# Altium PCB betrusted_evt2b.PcbDoc (part 4 of 6)
Units mm, origin at the board's own origin, x right, y up, seen from the top; angles counter-clockwise.
Board outline 61.95 x 62.6 mm, 6 copper layers (L1, L2, L3, L6, L7, L8), stack 0.691 mm thick; 387 components, 291 nets, 1871 pads, 1866 vias.
Unrouted connection lines stored in the file: 41.
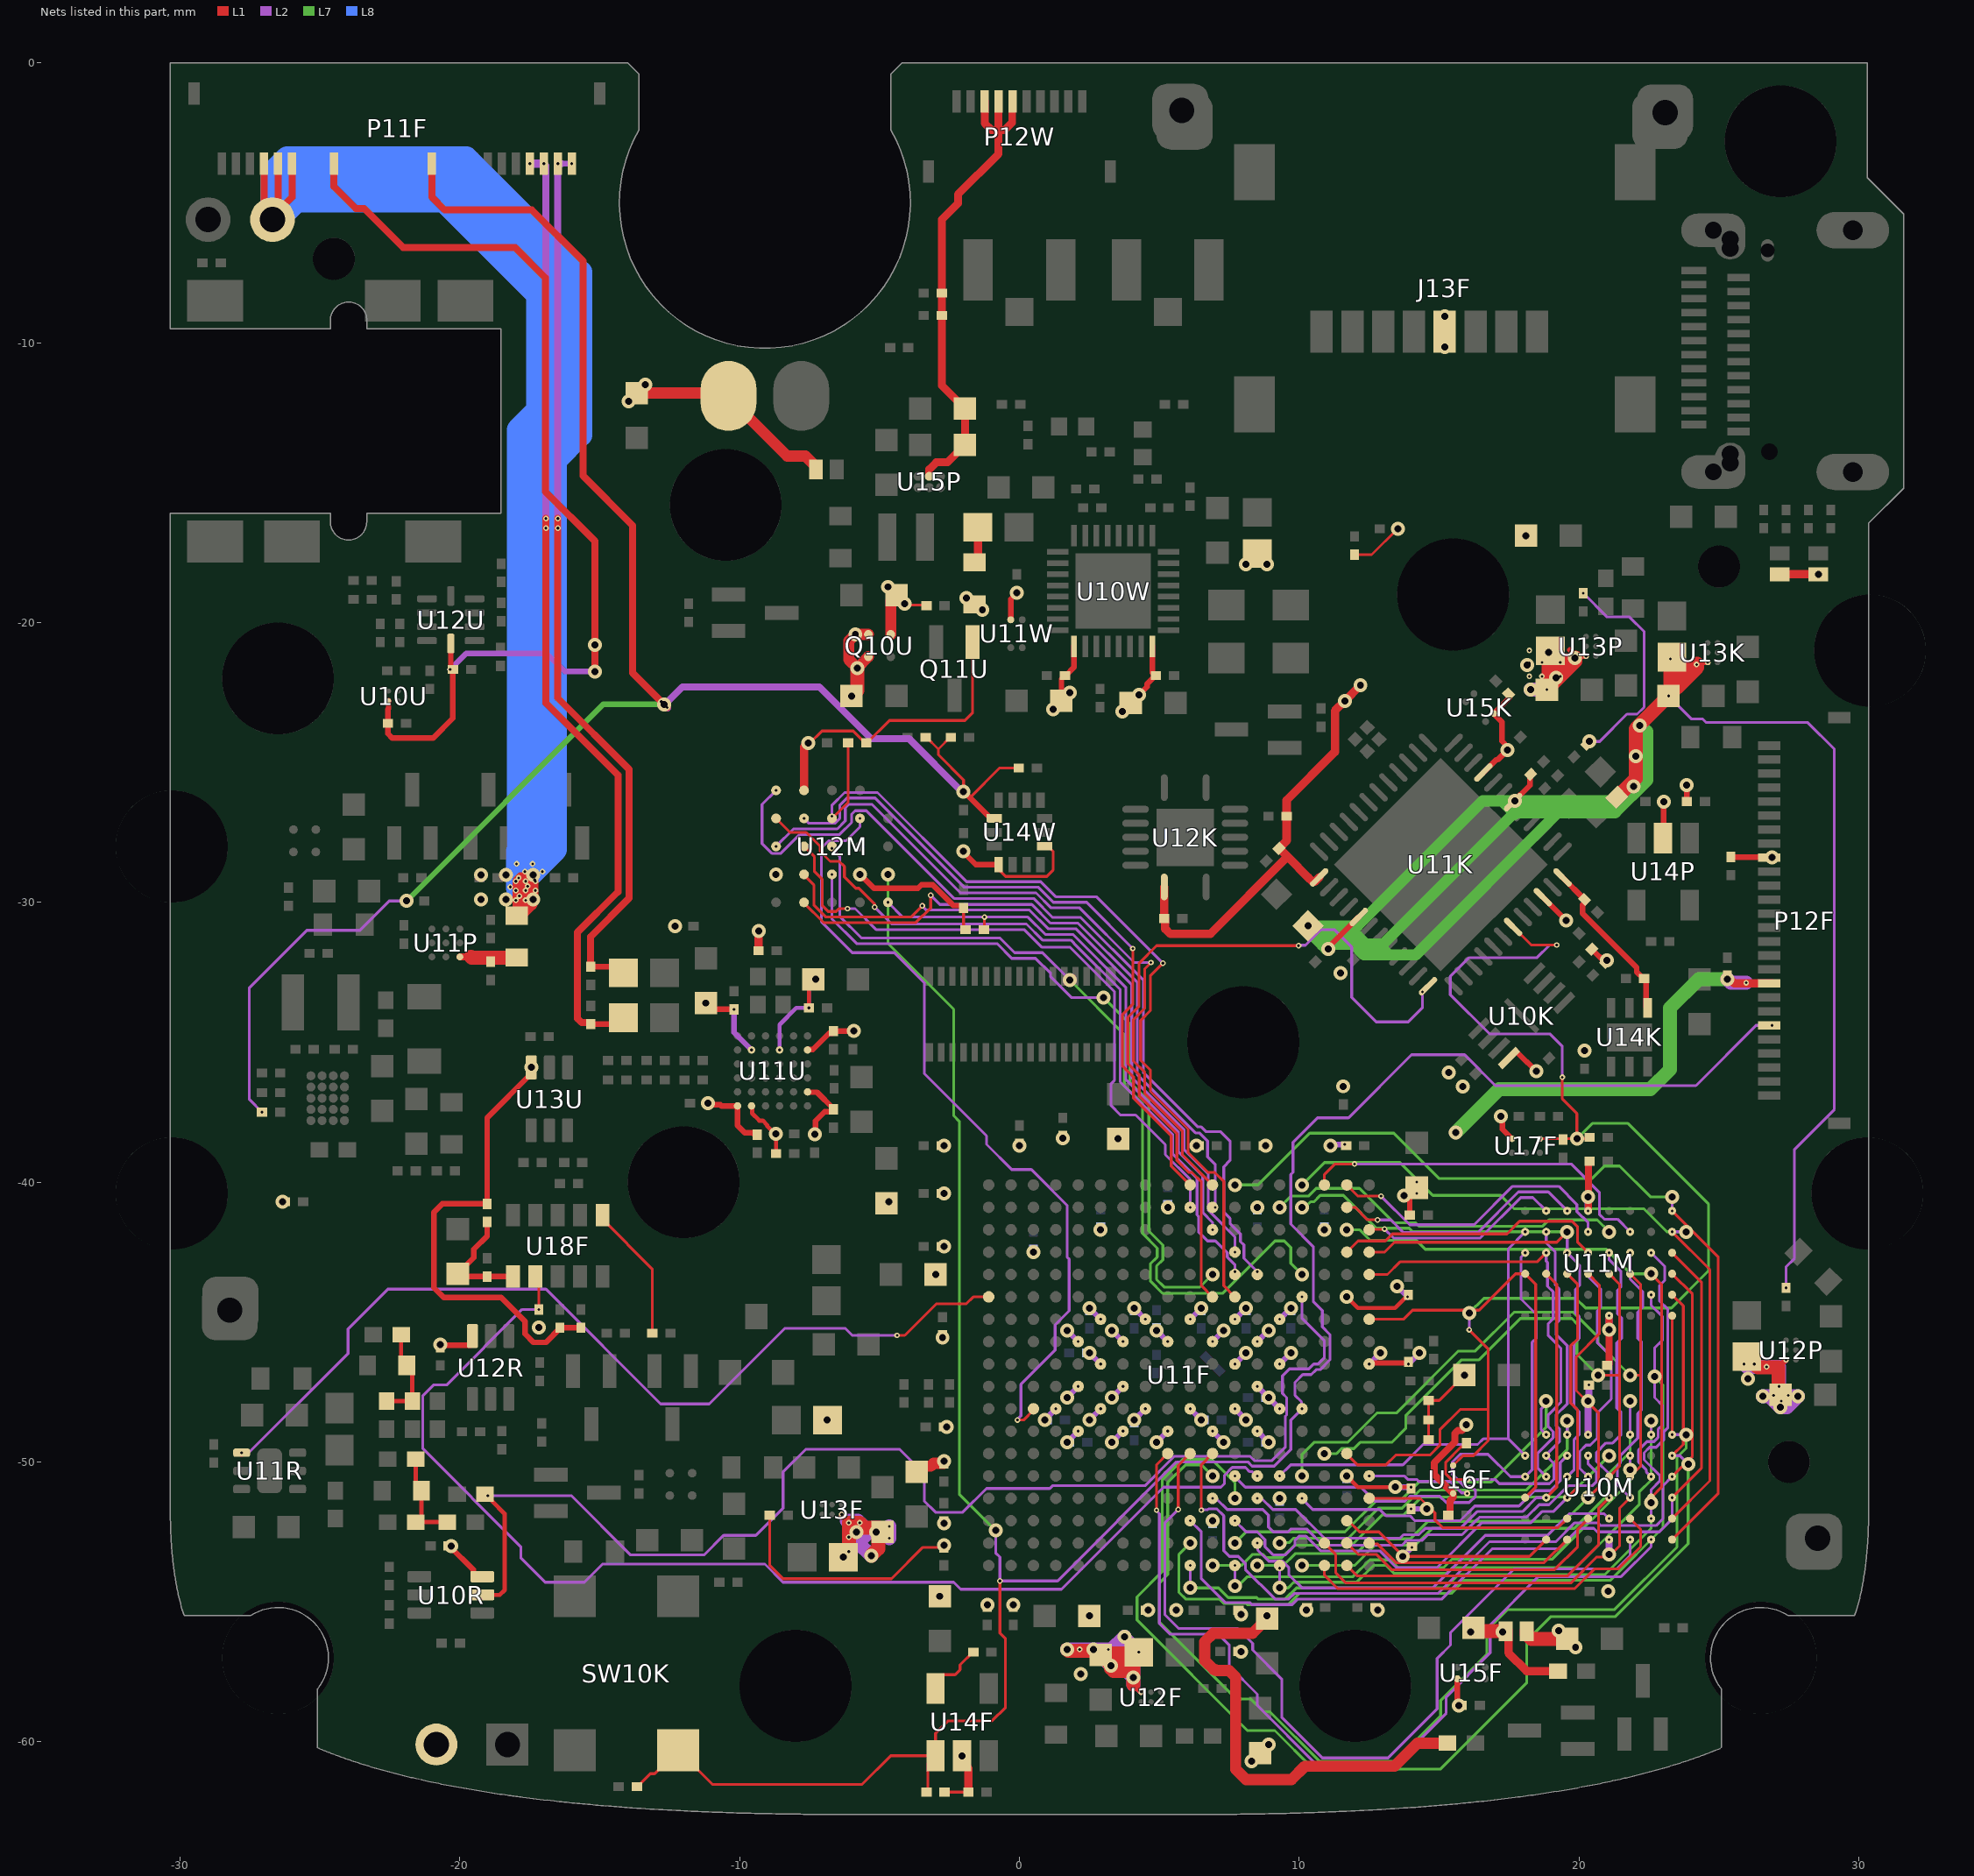
[diagram p8: the nets of this part, all layers, seen from the top]

## Via types
v1: diameter 0.2, hole 0.1, L1 to L2, tented both sides, 1071 vias
v2: diameter 0.5, hole 0.25, L2 to L7, tented both sides, 640 vias
v3: diameter 0.2, hole 0.1, L7 to L8, tented both sides, 120 vias
v4: diameter 0.5, hole 0.25, L1 to L8, 29 vias
v5: diameter 0.5, hole 0.2, L1 to L8, 4 vias
v6: diameter 0.4, hole 0.25, L1 to L8, 2 vias

## Nets (pads, with @x,y where several pads share a name; then routed paths per layer and width w, separated by ;. In a path a pad name is that pad's centre, name@x,y a point inside that pad or via, vN(x,y) a via of type N, cw(c..) or ccw(c..) an arc to the next point about the centre after c; other vN are vias at no path point) (continued)
NOISE_ON1: R12R.2 U10R.5 U11F.R13 | length 45.8
  L1 w0.15: U10R.5@-19.2,-54.75 -18.575,-54.75 -18.4,-54.575 -18.4,-51.85 -18.86,-51.39 -18.86,-51.35 v1(-19.005,-51.205) -19.06,-51.15 R12R.2@-19.1,-51.15
  L2 w0.1: v1(-19.005,-51.205) -16.02,-51.205 -13.9,-53.325 -11.275,-53.325 -10.575,-52.625 -9.425,-52.625 -8.45,-51.65 -8.45,-50.358 -7.642,-49.55 -4.275,-49.55 -3.4,-50.425 -3.4,-51.4 -3,-51.8 -2.025,-51.8 -1.175,-50.95 1.083,-50.95 1.183,-50.85 4.481,-50.85 5.534,-49.797 8.244,-49.797 8.396,-49.95 9.025,-49.95 9.5,-49.475 9.5,-48.375 9.55,-48.325 9.55,-47.7 9.4,-47.55 9.4,-46.925 9.65,-46.675 10.342,-46.675 10.517,-46.5 10.666,-46.5 10.9,-46.266 10.9,-45.675 10.1,-44.875 v1(10.1,-44.1)
NOISEBIAS_ON: U11F.A13 U11R.1 | length 33.1
  L1 w0.1: v1(-4.375,-45.475) -4.1,-45.475 -2.975,-44.35 -1.9,-44.35 -1.65,-44.1 U11F.A13@-1.1,-44.1
  L1 w0.3: U11R.1@-27.812,-49.668 -27.809,-49.67 v1(-27.804,-49.67) U11R.1@-27.8,-49.67 U11R.1@-27.799,-49.67
  L2 w0.1: v1(-27.804,-49.67) -27.545,-49.67 -24,-46.125 -24,-45.25 -22.575,-43.825 -16.925,-43.825 -12.825,-47.925 -11.089,-47.925 -8.389,-45.225 -6.225,-45.225 -5.975,-45.475 v1(-4.375,-45.475)
NPN_NOISE0: C15R.1 C16R.2 D11R.2 R16R.1 | length 3.5
  L1 w0.15: R16R.1@-22.625,-47.825 C15R.1@-21.7,-47.825 -21.7,-46.75 D11R.2@-21.9,-46.55 -22.1,-46.35 C16R.2@-22.1,-45.45
NPN_NOISE1: C10R.1 C11R.2 D10R.2 R11R.1 | length 3.5
  L1 w0.15: R11R.1@-21.575,-49.9 -21.575,-50.825 D10R.2@-21.375,-51.025 -21.375,-51.95 C11R.2@-21.575,-52.15 C10R.1@-20.45,-52.15
P0.95V_T: C16F.1 C19F.1 C20F.1 C21F.1 C22F.2 C23F.1 C24F.1 C25F.1 C26F.1 C27F.2 C28F.1 C60F.1 C61F.1 C71F.1 C72F.1 C73F.1 C74F.1 C75F.1 C76F.1 C89F.1 L12F.2 R16F.1 R20F.2 U11F.E7 U11F.E9 U11F.E11 U11F.F8 U11F.F10 U11F.G7 U11F.G9 U11F.G11 U11F.H8 U11F.J7 U11F.J11 U11F.K8 U11F.L7 U11F.L11 U11F.M8 U11F.M10 U11F.N7 U11F.N9 U11F.N11 U11F.P8 U11F.P10 U12F.A2 | length 55
  L1 w0.1: R16F.1@-8.925,-51.9 -8.925,-53.7 -8.45,-54.175 -4.575,-54.175 -3.45,-53.05 C61F.1@-2.7,-53.05
  L1 w0.2: 4.075,-57.95 v1(4.35,-58.225)
  L1 w0.25: C28F.1@7.825,-55.3 7.865,-55.3 7.885,-55.32 7.885,-55.36 7.925,-55.4 v1(7.925,-55.45)
  L1 w0.4: C19F.1@-3.675,-50.35 -3.475,-50.15 -3.175,-50.15 -3.075,-50.05 C60F.1@-2.7,-50.05 ; C20F.1@8.85,-55.6 8.325,-56.125 6.925,-56.125 6.625,-56.425 6.625,-57.1 6.95,-57.425 7,-57.425 7.025,-57.45 7.491,-57.45 7.725,-57.684 7.725,-60.975 8.1,-61.35 9.725,-61.35 10.2,-60.875 13.4,-60.875 14.225,-60.05 R20F.2@15.3,-60.05
  L1 w0.5: v2(1.7,-56.7) 1.75,-56.75 2.75,-56.75 C16F.1@2.9,-56.9 ; 4.075,-57.95 v1(4.075,-57.71) 4.075,-57.47 ; L12F.2@4.35,-56.885 v1(4.265,-56.8) ; C16F.1@2.9,-56.9 v1(3.275,-57.275) ; C16F.1@2.9,-56.9 2.95,-56.85 L12F.2@4.21,-56.85 ; v1(3.275,-57.275) 3.69,-56.86 L12F.2@4.2,-56.86 ; v1(3.275,-57.275) 3.275,-57.375 3.37,-57.47 3.65,-57.47 ; 3.65,-57.47 4.075,-57.47 ; 3.65,-57.47 3.65,-57.41 L12F.2@4.2,-56.86 ; 4.075,-57.47 4.075,-56.99 L12F.2@4.205,-56.86 ; L12F.2@4.2,-56.86 L12F.2@4.205,-56.86 ; L12F.2@4.2,-56.86 L12F.2@4.21,-56.85 ; L12F.2@4.205,-56.86 L12F.2@4.215,-56.85 ; L12F.2@4.21,-56.85 L12F.2@4.215,-56.85 ; L12F.2@4.21,-56.85 4.26,-56.8 v1(4.265,-56.8) ; L12F.2@4.215,-56.85 v1(4.265,-56.8)
  L2 w0.2: v2(1.7,-49.3) v1(2.1,-48.9) ; v2(1.7,-47.7) v1(2.1,-47.3) ; v2(1.7,-45.3) v1(2.1,-45.7) ; v2(2.5,-48.5) v1(2.9,-48.1) ; v2(2.5,-46.1) v1(2.9,-46.5) ; v2(3.3,-49.3) v1(3.7,-48.9) ; v2(3.3,-47.7) v1(3.7,-47.3) ; v2(3.3,-45.3) v1(3.7,-45.7) ; v2@4.075,-57.95 v1(4.35,-58.225) ; v2(4.1,-48.5) v1(4.5,-48.1) ; v2(4.9,-49.3) v1(5.3,-48.9) ; v2(4.9,-45.3) v1(5.3,-45.7) ; v1(6.1,-48.1) v2(6.5,-48.5) ; v1(6.9,-48.9) v2(7.3,-49.3) ; v1(6.9,-45.7) v2(7.3,-45.3) ; v1(7.7,-48.1) v2(8.1,-48.5) ; v1(7.7,-46.5) v2(8.1,-46.1) ; v1(8.5,-48.9) v2(8.9,-49.3) ; v1(8.5,-47.3) v2(8.9,-47.7) v1(9.3,-48.1) ; v1(8.5,-45.7) v2(8.9,-45.3) ; v1(9.3,-46.5) v2(9.7,-46.1)
  L2 w0.5: v2(1.7,-56.7) v1(2.15,-56.7) v1(2.65,-56.7) v2@2.7,-56.7 ; v2@4.075,-57.95 v1(4.075,-57.71) ; v2@2.7,-56.7 v2@3.175,-57.175 ; v2@2.7,-56.7 v1(3.175,-56.7) ; v2@3.175,-57.175 v1(3.275,-57.275) ; v2@3.175,-57.175 v1(3.175,-56.7) ; v1(3.175,-56.7) 3.3,-56.7 v2(3.75,-56.25) v2@3.75,-56.285 ; v1(3.175,-56.7) 3.465,-56.99 3.56,-56.99 ; v1(3.275,-57.275) 3.56,-56.99 ; v1(3.275,-57.275) 3.64,-57.275 v1(4.075,-57.71) ; 3.56,-56.99 3.75,-56.8 v2@3.75,-56.285 ; 3.56,-56.99 4.075,-56.99 ; v2@3.75,-56.285 v1(4.265,-56.8) 4.075,-56.99 ; v1(4.075,-57.71) 4.075,-56.99
  other v1: 1.7,-56.7 2.5,-55.5 8.85,-55.5 4.6,-55.3 5.6,-55.3 -1.15,-55.1 -0.225,-55.1 -2.85,-54.8 -2.7,-52.975 -2.7,-52.2 -2.7,-49.975
  other v2: 4.075,-57.71 2.187,-57.575 3.275,-57.275 2.65,-56.7 2.5,-55.5 8.85,-55.5 7.925,-55.45 4.6,-55.3 5.6,-55.3 -1.15,-55.1 -0.225,-55.1 -2.85,-54.8 -2.7,-52.975 -2.7,-52.2 -2.7,-49.975
  other v3: 1.7,-49.3 8.9,-49.3 4.1,-48.5 6.5,-48.5 8.9,-47.7 2.5,-46.1 4.9,-45.3
P1.2V: C11K.1 C12K.1 C13K.1 C22K.1 L10K.2 R12K.2 R19P.1 U11K.5 U11K.30 U13K.A2 | length 96.5
  L1 w0.2: v2(11.03,-31.67) 11.03,-31.618 U11K.5@12.125,-30.523 ; U11K.30@17.641,-26.421 18.242,-25.82 18.242,-25.458 C12K.1@18.27,-25.43 ; 24.125,-21.575 v1(24.2,-21.5) v1@24.225,-21.475 ; 24.275,-21.425 v1(24.6,-21.425)
  L1 w0.5: R12K.2@21.389,-26.211 22.025,-25.575 v2(22.025,-24.775) 22.025,-23.8 v1(23.2,-22.625) C22K.1@23.262,-22.563 ; 24.125,-21.575 23.665,-21.575 L10K.2@23.585,-21.495 ; v1@24.225,-21.475 24.225,-21.6 23.675,-22.15 ; C22K.1@23.262,-22.563 v1(23.262,-21.297) L10K.2@23.325,-21.235 L10K.2@23.585,-21.495 ; C22K.1@23.262,-22.563 23.675,-22.15 ; L10K.2@23.585,-21.495 23.585,-22.06 23.675,-22.15
  L2 w0.1: v1(23.2,-22.625) 24.025,-23.45 24.425,-23.45 24.55,-23.575 28.175,-23.575 29.125,-24.525 29.125,-37.4 27.7,-38.825 27.7,-42.725 27.4,-43.025 v1(27.4,-43.775)
  L2 w0.2: 24.125,-21.575 v1(24.2,-21.5) 24.275,-21.425 v1(24.6,-21.425)
  L2 w0.5: v1(23.2,-22.625) 23.2,-22.5 24.125,-21.575 23.54,-21.575 v1(23.262,-21.297)
  L7 w0.4: v2(10.316,-30.841) 12.09,-30.841 16.556,-26.375 ; 10.85,-31.49 10.885,-31.49 11.925,-31.49 ; 11.175,-31.2 11.731,-31.2 ; 20.2,-26.75 19.292,-26.75 14.167,-31.875 13.2,-31.875 ; v2(22.175,-23.675) 22.175,-23.702 22.025,-23.852 v2(22.025,-24.775) 22.006,-24.794 22.006,-25.594 21.225,-26.375 v2(17.7,-26.375) ; 11.731,-31.2 12.085,-31.2 12.375,-31.49 ; 11.731,-31.2 16.556,-26.375 ; 11.925,-31.49 12.375,-31.49 ; 11.925,-31.49 12.31,-31.875 12.76,-31.875 ; 12.375,-31.49 12.76,-31.875 ; 12.375,-31.49 12.996,-31.49 ; 12.76,-31.875 13.2,-31.875 ; 12.996,-31.49 12.996,-31.671 13.2,-31.875 ; 12.996,-31.49 17.675,-26.811 ; 16.556,-26.375 17.239,-26.375 ; 17.239,-26.375 17.675,-26.811 ; 17.239,-26.375 v2(17.7,-26.375) ; 17.675,-26.811 17.675,-26.65 17.681,-26.644 17.681,-26.394 v2(17.7,-26.375)
  L7 w0.5: v2(10.316,-30.841) 10.316,-30.956 10.85,-31.49 ; 10.85,-31.05 10.85,-31.49 ; v2@10.885,-31.49 11.175,-31.2 ; v2(11.03,-31.67) 10.85,-31.49 ; 17.675,-26.811 17.736,-26.75 19.292,-26.75 21.275,-26.75 22.4,-25.625 22.4,-23.9 v2(22.175,-23.675)
  other v1: 11.03,-31.67 10.316,-30.841 17.7,-26.375 21.95,-25.85 22.025,-24.775 22.175,-23.675
  other v2: 21.95,-25.85
P1.8V: C10K.1 C10M.1 C11M.1 C12M.1 C13M.1 C14K.1 C14M.1 C14W.1 C15M.2 C17K.1 C20P.1 C21W.1 C22W.1 C23W.1 C24W.1 C26P.1 C27K.1 C31W.1 C32W.1 C37F.2 D10M.2 L11P.2 L12W.2 P11F.16 P12F.9 R10K.2 R10M.1 R10W.1 R11K.1 R11M.1 R12W.2 R13P.1 R16K.1 R18K.2 R18P.1 R19K.2 R20K.2 R21K.1 R21P.1 R22K.1 R22P.2 U10K.8 U10M.D6 U10M.E1 U10W.25 U10W.32 U11K.22 U11K.33 U11M.D6 U11M.E1 U11W.3 U12P.A2 U14P.2 U14W.5 U14W.8 U14W.12 U15K.3 U16F.A2 U17F.A2 | length 119.3
  L1 w0.1: R19K.2@-3.35,-24.1 -3.325,-24.1 -2.9,-24.525 ; R18K.2@-2.45,-24.1 -2.475,-24.1 -2.9,-24.525 ; v1(-2,-26.05) -2,-25.625 -2.9,-24.725 -2.9,-24.525 ; -1.77,-26.255 -0.714,-25.2 R12W.2@-0.025,-25.2 ; U14W.8@-0.75,-28.65 -0.75,-28.825 -0.5,-29.075 0.975,-29.075 1.2,-28.85 1.2,-28.175 1.025,-28 U14W.12@0.9,-28
  L1 w0.2: v1(-2,-28.175) -2,-28.215 -1.565,-28.65 U14W.8@-0.75,-28.65 ; v1(-2,-26.05) -2,-26.09 -1.955,-26.135 -1.89,-26.135 -1.77,-26.255 -1.025,-27 U14W.5@-0.9,-27 ; U11W.3@-0.31,-19.9 -0.31,-19.16 -0.1,-18.95 v2(-0.1,-18.938) C14W.1@-0.1,-18.925 ; C21W.1@1.5,-22.8 1.5,-22.025 1.54,-21.985 1.54,-21.96 1.6,-21.9 C22W.1@1.625,-21.9 1.65,-21.9 1.95,-21.6 U10W.25@1.95,-20.855 ; C23W.1@3.975,-22.875 v2(4.266,-22.584) 4.558,-22.292 4.558,-22.192 C24W.1@4.85,-21.9 ; U10W.32@4.75,-20.855 4.75,-21.8 C24W.1@4.85,-21.9 ; C24W.1@4.875,-21.9 C24W.1@4.85,-21.9 ; U11K.33@16.58,-25.361 17.038,-24.903 17.097,-24.903 v2(17.44,-24.56) 17.469,-24.531 17.469,-24.468 17.242,-24.241 17.242,-23.556 16.95,-23.264 U15K.3@16.95,-23.25 17.508,-22.692 17.508,-22.583 C27K.1@17.48,-22.555 ; v1(17.2,-37.65) 17.26,-37.71 17.26,-38.11 U17F.A2@17.6,-38.45 ; U10K.8@17.494,-35.567 17.724,-35.337 17.759,-35.337 18.137,-35.715 18.156,-35.715 v2(18.47,-36.03) ; U11K.22@18.701,-29.815 19.531,-30.645 v2(19.545,-30.645) ; R10K.2@20.455,-31.67 20.93,-32.145 R11K.1@20.955,-32.145 ; v2(21.047,-54.625) C12M.1@21.065,-54.642 ; U14P.2@23,-27.7 23.025,-27.675 v2(23.025,-26.4) ; R22P.2@23.85,-26.4 v2(23.85,-25.815) ; C37F.2@25.425,-28.375 25.438,-28.387 26.888,-28.387 v2(26.9,-28.4) ; 27.125,-46.625 v1(27.4,-46.35)
  L1 w0.25: P11F.16@-21,-3.6 -21,-4.8 -20.55,-5.25 -17.436,-5.25 -15.6,-7.086 -15.6,-14.758 -13.825,-16.533 -13.825,-21.8 v1(-12.588,-23.038) ; C15M.2@15.325,-51.9 15.365,-51.9 15.385,-51.88 15.385,-51.38 15.5,-51.265 U16F.A2@15.5,-51.125 14.825,-50.45 14.825,-50.025 15.562,-49.288 15.562,-48.988 15.675,-48.875 15.815,-48.875 15.975,-48.715 v2(15.975,-48.675) ; v1(20.325,-41.025) 20.333,-41.017 20.333,-39.27 20.353,-39.25 C11M.1@20.375,-39.25 ; C10M.1@21,-46.55 21.04,-46.55 21.075,-46.515 v1(21.075,-44.775) ; C12M.1@21.025,-54.625 v2(21.047,-54.625) C12M.1@21.067,-54.605 ; U10M.E1@21.067,-52.783 v1(21.075,-52.775)
  L1 w0.5: D10M.2@18.125,-56.05 18.125,-56.15 18.3,-56.325 C14M.1@19.575,-56.325 ; L11P.2@26,-46.235 26,-46.24 26.26,-46.5 v1(26.265,-46.5) 26.39,-46.625 27.125,-46.625 27.125,-47.525 C20P.1@27.2,-47.6
  L2 w0.1: v1(-27.075,-37.5) -27.525,-37.05 -27.525,-33.051 -25.474,-31 -23.575,-31 -22.525,-29.95 v1(-21.925,-29.95) ; v1(20.15,-18.95) 21,-19.8 21.8,-19.8 22.325,-20.325 22.325,-23.025 22.075,-23.275 21.712,-23.275 20.737,-24.25 v1(20.375,-24.25)
  L2 w0.2: 27.15,-46.6 v1(27.4,-46.35)
  L2 w0.25: v1(-12.8,-22.825) v2@-12.687,-22.938 ; v2@-12.575,-23.05 v2@-12.687,-22.938 ; v2@-1.975,-26.025 -2.075,-26.025 -3.95,-24.15 -5.3,-24.15 -7.15,-22.3 -12.05,-22.3 v2@-12.687,-22.938 ; v1(20.325,-49.025) v2(20.325,-47.825) 20.35,-47.8 v1(20.35,-47.25) ; v1(20.325,-41.025) v2(20.325,-40.525) ; v2(21.075,-53.3) v1(21.075,-52.775) ; v2(21.075,-45.275) v1(21.075,-44.775)
  L2 w0.5: 26,-46.6 v1(26.7,-46.6) 27.15,-46.6 27.15,-47.425 ; v2(26.575,-47.65) v2@26.8,-47.65 ; v1(27.475,-47.625) 27.35,-47.625 ; v2@26.8,-47.65 v2(27.825,-47.65) 27.425,-48.05 v2(27.2,-48.05) v2@26.8,-47.65 ; 27.15,-47.425 27.35,-47.625 ; 27.15,-47.425 v1(26.95,-47.625) 27.35,-47.625
  L7 w0.2: v2(-21.9,-29.95) -14.875,-22.925 v2(-12.7,-22.925)
  other v1: 19.875,-56.625 19.275,-56.025 21.047,-54.625 15.975,-48.675 27.225,-47.825 27.15,-47.3 25.9,-46.5 15.845,-36.58 15.345,-36.08 18.47,-36.03 20.2,-35.3 11.47,-32.53 21,-32.075 19.545,-30.645 26.9,-28.4 23.025,-26.4 23.85,-25.815 17.44,-24.56 3.675,-23.175 1.2,-23.1 4.266,-22.584 1.8,-22.5 -0.1,-18.938 8.1,-17.925 8.85,-17.925
  other v2: 19.875,-56.625 19.275,-56.025 26.037,-47.025 17.2,-37.65 15.845,-36.58 15.345,-36.08 20.2,-35.3 11.47,-32.53 21,-32.075 -2,-28.175 -2,-26.05 20.375,-24.25 3.675,-23.175 1.2,-23.1 1.8,-22.5 8.1,-17.925 8.85,-17.925
P1.8V_T: C12R.2 C16M.1 C17M.1 C17R.2 C18F.1 C18M.1 C27U.1 C28U.2 C29F.1 C30F.2 C31F.1 C31U.1 C32F.1 C32U.1 C33F.1 C33U.2 C35F.1 C38F.1 C39F.1 C40F.2 C41F.1 C42F.1 C43F.1 C44F.1 C52F.2 C53F.1 C54F.1 C55F.2 C56F.1 C57F.1 C58F.1 C59F.1 C62F.1 C77F.1 C78F.1 C79F.1 C80F.1 C81F.1 C82F.1 C83F.1 C84F.1 C85F.1 C86F.1 C87F.1 D10M.1 D10P.2 D10U.2 D11P.2 L10F.1 L13F.2 M10U.1 P10F.2 P12F.18 Q11U.1 R11U.2 R13F.2 R13M.2 R15F.2 R19F.1 R21F.2 R22F.2 R24F.2 R30F.1 R31F.1 U10R.6 U11F.D8 U11F.F12 U11F.H12 U11F.K12 U11F.L3 U11F.M12 U11F.N17 U11F.P4 U11F.P12 U11F.T16 U11F.U5 U11F.U13 U11F.V10 U11U.C2 U11U.E6 U12M.B4 U12M.D1 U12M.E4 U12R.6 U13F.A2 U14F.2 U15F.3 | length 89.2
  L1 w0.1: C16M.1@-7.525,-24.3 -7.485,-24.3 -7.06,-23.875 -5.94,-23.875 -5.515,-24.3 R13M.2@-5.475,-24.3 -5.45,-24.3 -4.65,-23.5 -1.95,-23.5 ; R24F.2@-2.675,-61.8 C33F.1@-1.825,-61.8 ; C18M.1@-2,-30.2 -2,-30.9 R30F.1@-1.925,-30.975 ; -1.863,-23.413 -1.95,-23.5 ; Q11U.1@-1.675,-20.7 -1.675,-23.225 -1.95,-23.5 ; R19F.1@14.625,-49.2 R13F.2@14.625,-47.8 15,-47.8 v1(15.9,-46.9)
  L1 w0.15: U11U.E6@-9.575,-37.275 -9.553,-37.297 -9.553,-37.547 -9.3,-37.8 -9.175,-37.8 -9.022,-37.953 -9.022,-37.978 -8.725,-38.275 -8.71,-38.275 v2(-8.705,-38.275) C27U.1@-8.7,-38.275 C28U.2@-8.7,-38.975 ; v1(-7.525,-33.775) -7.525,-33 C32U.1@-7.275,-32.75 ; v1(11.7,-50.5) 12.1,-50.9 13.95,-50.9 C43F.1@14,-50.95 ; v1(11.7,-44.1) 12.1,-44.5 13.425,-44.5 13.835,-44.09 13.9,-44.09 C57F.1@13.9,-44.05 ; C38F.1@13.95,-40.45 C38F.1@14.2,-40.2
  L1 w0.2: C17R.2@-20.7,-45.9 -20.7,-45.885 -20.64,-45.825 -19.65,-45.825 -19.55,-45.725 U12R.6@-19.55,-45.5 ; C12R.2@-20.4,-53 -20.375,-53 -19.525,-53.85 -19.525,-54 -19.425,-54.1 U10R.6@-19.2,-54.1 ; v1(-6.35,-51.875) -6.35,-51.925 v1(-6.1,-52.175) ; v2(-5.7,-29) -5.2,-29.5 -3.625,-29.5 -3.5,-29.375 -3.1,-29.375 -2.36,-30.115 -2.045,-30.115 -2,-30.16 C18M.1@-2,-30.2 ; v1(12.5,-46.5) 12.538,-46.462 13.863,-46.462 C31F.1@13.9,-46.425 ; C62F.1@13.95,-41.175 C38F.1@13.95,-40.45 ; U15F.3@15.65,-57.75 15.65,-58.575 15.775,-58.7 C35F.1@15.8,-58.7
  L1 w0.3: R11U.2@-26.35,-40.7 v2(-26.345,-40.7) -26.34,-40.7 R11U.2@-26.335,-40.705 ; C17R.2@-20.713,-45.795 -20.708,-45.8 v2(-20.703,-45.8) C17R.2@-20.697,-45.8 ; C12R.2@-20.313,-52.995 -20.308,-53 v2(-20.303,-53) C12R.2@-20.297,-53 ; C17M.1@-9.325,-31.725 v1(-9.325,-31.025) ; C27U.1@-8.715,-38.27 C27U.1@-8.71,-38.275 ; v2(-8.705,-38.275) C27U.1@-8.7,-38.275 ; U12M.D1@-7.7,-26 -7.7,-24.445 v1(-7.555,-24.3) C16M.1@-7.525,-24.3 ; C32U.1@-7.29,-32.745 -7.285,-32.75 v2(-7.28,-32.75) C32U.1@-7.275,-32.75 ; L10F.1@-6.88,-48.495 -6.875,-48.5 v2(-6.87,-48.5) L10F.1@-6.865,-48.5 ; C56F.1@-2.615,-48.745 -2.61,-48.75 v2(-2.605,-48.75) C56F.1@-2.6,-48.75 ; v1(-2.05,-60.5) -2.05,-60.725 -1.825,-60.95 C33F.1@-1.825,-61.8 ; C53F.1@16.225,-55.925 C53F.1@16.35,-56.05 ; D10M.1@17.375,-56.05 17.475,-56.15 17.475,-56.825 18.125,-57.475 R21F.2@19.25,-57.475 ; C52F.2@25.3,-32.625 25.3,-32.65 25.55,-32.9 P12F.18@26.9,-32.9 ; D10P.2@27.175,-18.275 v2(28.55,-18.275)
  L1 w0.4: C33U.2@-13.675,-11.8 -10.4,-11.8 -10.4,-11.95 -8.3,-14.05 -7.65,-14.05 -7.275,-14.425 D10U.2@-7.275,-14.525
  L1 w0.5: v2(-6.3,-53.4) v1(-6.1,-53.2) v1(-6.1,-52.688) ; v2(-5.3,-53.35) -5.05,-53.1 -5.05,-52.65 C18F.1@-4.9,-52.5 -5.05,-52.35 -5.536,-52.35 v1(-5.711,-52.175) ; C53F.1@16.35,-56.05 D10M.1@17.375,-56.05 ; v1(-6.1,-52.688) -5.711,-52.298 v1(-5.711,-52.175) ; v1(-6.1,-52.688) v1(-6.1,-52.175) v1(-5.711,-52.175)
  L2 w0.15: v1(-8.575,-35.275) -8.575,-34.375 -7.975,-33.775 v1(-7.525,-33.775) -7.525,-32.995 v2(-7.28,-32.75)
  L2 w0.2: v1(-6.35,-51.875) -6.35,-51.925 -6.175,-52.1 ; v2(0.9,-48.5) v1(1.3,-48.1) ; v2(2.5,-44.5) v1(2.9,-44.9) ; v2(4.1,-44.5) v1(4.5,-44.9) ; v1(6.1,-44.9) v2(6.5,-44.5) ; v1(7.7,-44.9) v2(8.1,-44.5) ; v1(9.3,-44.9) v2(9.7,-44.5) ; v2(11.109,-38.7) 11.157,-38.652 v1(11.626,-38.652) ; v1(12.5,-46.5) v2(12.9,-46.1) ; v2(13.434,-50.9) v1(14,-50.9) ; v2(13.5,-43.725) v1(13.875,-44.1) ; v2@13.625,-53.45 v2(13.7,-53.375) v1(14.025,-53.05) ; v2(13.751,-40.475) 14.125,-40.475 v1(14.2,-40.4) v1(14.2,-40) ; v1(13.9,-46.5) v2(14.3,-46.1) ; v1(14,-51.675) v2(14.566,-51.675)
  L2 w0.5: v2(-6.3,-53.4) v1(-6.1,-53.2) ; v2(-5.3,-53.35) -5.75,-52.9 -5.786,-52.9 ; v2(25.3,-32.75) 25.425,-32.875 v1(25.975,-32.875) ; v1(-6.1,-53.2) -5.8,-52.9 ; v1(-6.1,-53.2) -6.1,-52.9 ; -6.1,-52.9 -5.8,-52.9 ; -6.1,-52.9 v1(-6.1,-52.688) -6.1,-52.564 ; -6.1,-52.564 v1(-5.711,-52.175) ; -6.1,-52.564 v1(-6.1,-52.175) -6.175,-52.1 -5.786,-52.1 v1(-5.711,-52.175) ; -5.8,-52.9 -5.786,-52.9 ; -5.786,-52.9 -5.386,-52.5 ; v1(-5.711,-52.175) -5.386,-52.5 ; -5.386,-52.5 v2(-5.118,-52.5) -4.85,-52.5 ; -4.85,-52.5 -4.85,-52.525 v1(-4.65,-52.725) v1(-4.65,-52.3) -4.85,-52.5
  L7 w0.5: v2(15.6,-38.225) 17.15,-36.675 22.55,-36.675 23.25,-35.975 23.25,-33.775 24.275,-32.75 v2(25.3,-32.75)
  other v1: 8.3,-60.7 8.9,-60.1 15.7,-58.7 7.925,-56.775 16.125,-56.075 17.275,-56.075 10.225,-55.25 12.775,-55.25 -5.3,-53.35 -20.303,-53 -5.118,-52.5 6.9,-52.1 9.3,-51.3 -2.605,-48.75 -6.87,-48.5 -20.703,-45.8 -2.75,-45.55 -17.175,-45.2 10.9,-41.7 8.5,-40.9 -26.345,-40.7 6.325,-38.7 8.8,-38.7 3.525,-38.45 -8.705,-38.275 11.575,-36.575 -7.28,-32.75 25.3,-32.75 -8.7,-29 -5.7,-29 28.55,-18.275 -13.975,-12.1 -13.375,-11.5
  other v2: 8.3,-60.7 -2.05,-60.5 8.9,-60.1 15.7,-58.7 7.925,-56.775 16.125,-56.075 17.275,-56.075 10.25,-55.3 12.8,-55.3 -5.825,-52.5 6.9,-52.1 9.3,-51.3 11.7,-50.5 15.9,-46.9 -2.75,-45.55 -17.175,-45.2 11.7,-44.1 10.9,-41.7 8.5,-40.9 6.325,-38.7 8.8,-38.7 3.525,-38.45 11.575,-36.575 -9.325,-31.025 -8.7,-29 -7.555,-24.3 -13.975,-12.1 -13.375,-11.5
  other v3: 6.9,-52.1 9.3,-51.3 11.7,-50.5 0.9,-48.5 2.5,-44.5 4.1,-44.5 6.5,-44.5 8.1,-44.5 9.7,-44.5 10.9,-41.7 8.5,-40.9
P2.5V: C18K.1 C23K.1 U11K.24 U14K.1 | length 6
  L1 w0.2: U11K.24@19.408,-29.108 C18K.1@20.195,-29.895 20.213,-29.913 20.213,-29.998 20.125,-30.086 20.125,-30.396 22.06,-32.331 22.06,-32.485 22.3,-32.725 C23K.1@22.325,-32.725 22.34,-32.725 22.4,-32.785 22.4,-33.725 U14K.1@22.45,-33.775
P3.3V: C19K.1 C20K.1 C24P.1 C38U.1 J10U.1 L12P.2 L13W.2 Q10U.4 R10U.2 R13K.2 U11K.1 U12K.14 U13P.A2 | length 29.1
  L1 w0.1: C38U.1@-4.4,-19.025 -4.05,-19.375 -3.35,-19.375 R10U.2@-3.325,-19.4
  L1 w0.2: 19.675,-20.975 19.9,-21.2 19.925,-21.2 v1(20.25,-21.2) ; 19.775,-21.35 v1(19.85,-21.275) v1@19.875,-21.25
  L1 w0.3: J10U.1@-1.6,-17.85 ccw(c-1.878,-17.572) -1.485,-17.572 L13W.2@-1.485,-16.6 ; U12K.14@5.175,-29.45 C19K.1@5.175,-30.575 5.205,-30.575 5.21,-30.58 5.21,-30.949 5.386,-31.125 6.825,-31.125 9.535,-28.415 9.625,-28.415 ; C20K.1@9.259,-28.084 9.266,-28.084 C20K.1@9.28,-28.07 ; U11K.1@10.711,-29.108 10.552,-29.267 10.481,-29.267 10.322,-29.108 10.318,-29.108 9.625,-28.415 ; v1(12.187,-22.237) v1(11.625,-22.8) 11.275,-23.15 11.275,-24.625 9.55,-26.35 9.55,-27.793 9.28,-28.063 C20K.1@9.28,-28.07 ; C20K.1@9.28,-28.07 9.625,-28.415
  L1 w0.4: Q10U.4@-4.6,-20.425 -4.6,-19.225 C38U.1@-4.4,-19.025
  L1 w0.5: v1(18.85,-22.4) C24P.1@18.912,-22.338 ; 19.775,-21.35 19.315,-21.35 L12P.2@19.235,-21.27 ; v1@19.875,-21.25 19.875,-21.375 v1(19.325,-21.925) ; C24P.1@18.912,-22.338 v1(19.325,-21.925) ; C24P.1@18.912,-22.338 v1(18.912,-21.072) L12P.2@18.975,-21.01 L12P.2@19.235,-21.27 ; L12P.2@19.235,-21.27 19.235,-21.835 v1(19.325,-21.925)
  L2 w0.2: v2@19.775,-21.35 v1(19.85,-21.275) 19.925,-21.2 v1(20.25,-21.2)
  L2 w0.5: v2(18.275,-22.4) v1(18.85,-22.4) 18.85,-22.275 19.775,-21.35 19.19,-21.35 v1(18.912,-21.072)
  other v1: 18.225,-21.925 18.675,-21.925 18.225,-21.45 18.675,-21.425 19.325,-21.425 18.225,-21 -1.325,-19.55 -4.1,-19.325 -1.9,-19.125 -4.7,-18.725
  other v2: 11.625,-22.8 12.187,-22.237 19.175,-21.975 18.15,-21.525 19.85,-21.275 18.912,-21.072 -1.325,-19.55 -4.1,-19.325 -1.9,-19.125 -4.7,-18.725
P3.3V_A: C10U.1 C12U.1 C13U.2 C23U.1 C24U.2 C29U.1 C30U.2 C34U.1 C35U.1 C36U.1 C37U.2 C45F.1 C46F.1 C47F.2 C48F.1 C49F.1 C50F.1 C51F.1 C67F.1 C68F.1 C88F.1 C90F.1 C91F.1 J13F.4 P11F.9 Q10U.2 Q10U.3 R18U.2 R25F.2 R26F.2 R32F.2 R33F.1 U10U.A1 U11F.C15 U11F.F16 U11F.J17 U11U.A2 U11U.A5 U11U.E2 U11U.F6 U12U.10 U13U.6 | length 68.9
  L1 w0.1: R33F.1@11.975,-17.575 12.588,-17.575 C68F.1@13.513,-16.65 ; C68F.1@13.5,-16.65 v1(13.525,-16.65)
  L1 w0.2: U10U.A1@-22.55,-22.8 -22.55,-23.075 -22.575,-23.1 C10U.1@-22.575,-23.6 -22.575,-23.975 -22.425,-24.125 -20.95,-24.125 -20.25,-23.425 C13U.2@-20.25,-21.675 -20.265,-21.675 -20.325,-21.615 U12U.10@-20.325,-20.75 ; v2(-17.45,-35.9) -17.45,-36.125 -19.025,-37.7 R32F.2@-19.025,-40.775 -20.625,-40.775 -20.925,-41.075 -20.925,-43.775 -20.575,-44.125 -18.525,-44.125 -17.675,-44.975 -17.675,-45.425 -17.375,-45.725 -16.925,-45.725 -16.425,-45.225 R26F.2@-16.425,-45.2 R25F.2@-15.675,-45.2 ; C35U.1@-11.2,-33.6 -10.975,-33.825 v1(-10.2,-33.825) ; C30U.2@-11.125,-37.175 -11.065,-37.235 -10.69,-37.235 -10.65,-37.275 U11U.F6@-10.075,-37.275 -10.075,-37.975 -9.81,-38.24 -9.535,-38.24 C29U.1@-9.475,-38.3 ; U11U.A5@-7.575,-36.775 -7.563,-36.787 -7.238,-36.787 -6.65,-37.375 C23U.1@-6.65,-37.4 -6.65,-37.425 -6.71,-37.485 -6.96,-37.485 -7.29,-37.815 -7.29,-38.265 C24U.2@-7.325,-38.3 ; U11U.A2@-7.575,-35.275 -7.563,-35.263 -7.388,-35.263 -6.85,-34.725 -6.81,-34.685 -6.71,-34.685 -6.65,-34.625 C36U.1@-6.65,-34.6 C37U.2@-5.95,-34.6